# Altium PCB GameBoard_V1I1.PcbDoc (part 6 of 22) (continued)
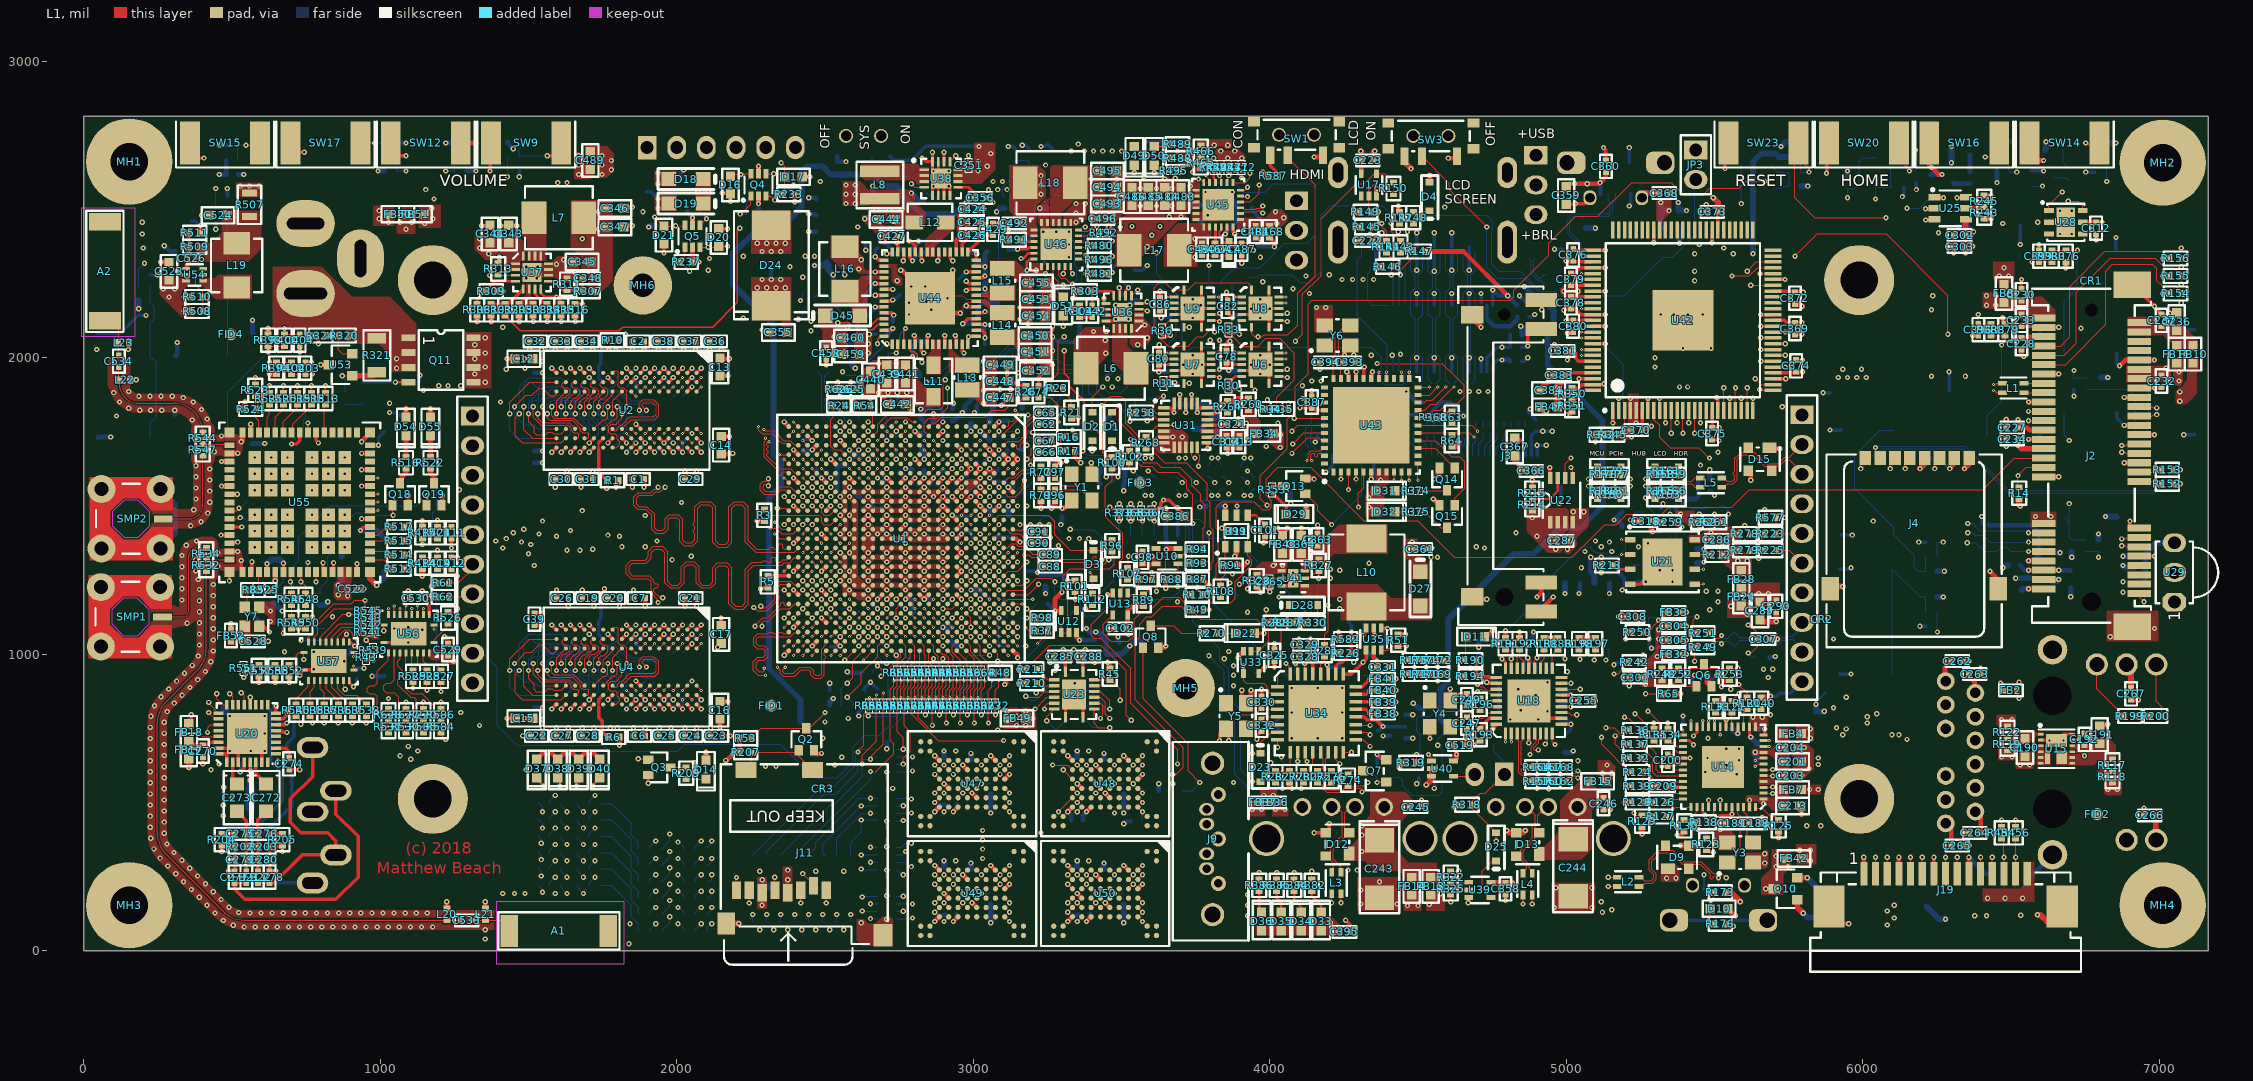
[diagram p0: L1 view]
## Nets (pads, with @x,y where several pads share a name; then routed paths per layer and width w, separated by ;. In a path a pad name is that pad's centre, name@x,y a point inside that pad or via, vN(x,y) a via of type N, cw(c..) or ccw(c..) an arc to the next point about the centre after c; other vN are vias at no path point) (continued)
  L12 w15.75: C40.1@1519.69,818.9 v2(1547.24,818.9) ; C49.1@1519.69,1685.04 v2(1547.24,1685.04) ; C35.1@1519.69,1948.82 v2(1547.24,1948.82) ; C58.1@1629.92,1590.55 v2(1629.92,1618.11) ; v2(1629.92,2027.56) C50.1@1629.92,2055.12 ; C48.1@1633.86,724.41 v2(1633.86,751.97) ; v2(1633.86,1161.42) C41.1@1633.86,1188.98 ; C57.1@1716.54,1590.55 v2(1716.54,1618.11) ; v2(1716.54,2027.56) C51.1@1716.54,2055.12 ; C47.1@1720.47,724.41 v2(1720.47,751.97) ; v2(1720.47,1161.42) C42.1@1720.47,1188.98 ; v2@1763.78,1562.99 C55.1@1763.78,1590.55 ; v2(1937.01,2027.56) C52.1@1937.01,2055.12 ; C46.1@1940.95,724.41 v2(1940.95,751.97) ; v2(2023.62,2027.56) C53.1@2023.62,2055.12 ; C45.1@2027.56,724.41 v2(2027.56,751.97) ; v2(2027.56,1161.42) C43.1@2027.56,1188.98 ; C56.1@2027.56,1590.55 v2(2027.56,1618.11) ; v2(2110.24,2027.56) C54.1@2110.24,2055.12 ; C44.1@2114.17,724.41 v2(2114.17,751.97)
  L12 w19.68: v1(3838.58,1425.2) R90.2@3866.14,1425.2 ; v1(6702,1194) FB9.2@6702,1221.23
  other v1: 2532.48,625.98 2673.23,2500 2716.54,2500 2759.84,2500
  other v2: 2556.1,652.56 2645.67,1216.53 2708.66,1216.54 2582.68,1248.03 2582.68,1279.53 2582.68,1342.52 2582.68,1405.51 2582.68,1468.5 2582.68,1531.5 1763.78,1559.06 2188.98,1677.17
+1V5_MPCIE: C226.1 C227.1 C228.1 C229.1 FB9.1 J2.6 J2.28 J2.48 | length 421.3
  L1 w15.75: v1(6515.75,2062.99) 6519.76,2067 6535.36,2067 C228.1@6535.43,2066.93 6559.06,2066.93 6563.13,2071 J2.48@6610,2071 ; v1(6523.62,1791.34) C227.1@6523.62,1763.78 6555.12,1763.78 6562.99,1755.91 J2.28@6610.24,1755.91 ; v1(6559.06,1283.46) J2.6@6610.24,1283.46 v1(6661.42,1283.46) ; J2.48@6605.93,2066.93 6606.3,2066.93 J2.48@6610.24,2070.87
  L12 w15.75: C226.1@6531.5,1299.21 6547.24,1283.46 v1(6559.06,1283.46) ; C229.1@6637.8,1283.46 v1(6661.42,1283.46) 6698.82,1283.46 FB9.1@6700.79,1281.5
+1V8_AUDIO: C421.1 FB16.2 FB18.2 TP28.1 U44.26 | length 136.7
  L1 w11.81: FB18.2@355.32,765.75 FB18.2@354.33,765.75 350.39,769.69 362.2,781.5 v1(362.2,795.28) ; v2(2976.38,2289.37) U44.26@3009.84,2289.37
  L12 w11.81: TP28.1@354.33,767.72 354.33,787.4 v1(362.2,795.28) ; C421.1@2952.76,2263.78 2952.76,2265.75 v2(2976.38,2289.37)
  other v1: 500,515.75 472.44,551.18
+1V8_WIFI: C527.2 C530.1 C532.1 FB52.2 R43.2 R507.2 R524.2 R539.2 R541.2 R542.2 R543.2 R545.2 R555.2 R556.2 R558.2 U55.38 U56.2 U57.2 | length 392.2
  L1 w9.84: U57.2@895.67,1041.34 899.61,1041.34 v1(913.39,1027.56)
  L1 w11.02: v1@981.5,1062.99 v1(984.25,1062.99) ; C530.1@1138.78,1188.98 1165.35,1162.4 U56.2@1165.35,1133.86
  L1 w11.81: R43.2@952.76,979.13 975.2,979.13 v1(976.38,980.31) R539.2@976.38,1002.76
  L1 w19.68: FB52.2@496.06,1082.68 v1(496.06,1102.36) ; R524.2@543.31,1826.77 v1(543.31,1850.39) ; v1(645.67,905.51) R558.2@645.67,925.2 ; v1(645.67,1248.03) U55.38@645.67,1276.57 ; C530.1@1138.78,1188.98 1138.78,1209.65 v1(1141.73,1212.6)
  L12 w11.02: C532.1@897.64,1000 897.64,1011.81 v1(913.39,1027.56)
  L12 w19.68: R555.2@641.73,1173.23 v1(669.29,1145.67) ; v1(645.67,1248.03) C527.2@645.67,1279.53 ; R556.2@795.28,1165.35 811.02,1165.35 v1(822.83,1177.17)
  other v1: 988.19,1114.17 988.19,1145.67 527.56,2578.74 559.06,2578.74 590.55,2578.74
+1V8_WIFI_OSO: C528.2 FB52.1 R675.2 Y7.4 | length 51.5
  L12 w19.68: v1(531.5,1062.99) 551.18,1082.68 R675.2@551.18,1106.3
+1V375_CORE: C103.1 C104.1 C105.1 C106.1 C107.1 C108.1 C109.1 C115.1 C116.1 C117.1 C118.1 C119.1 C439.1 C440.1 C441.1 C442.1 FB2.1 L11.2 R299.2 TP32.1 U1.H14 U1.J14 U1.K9 U1.K14 U1.L9 U1.L14 U1.M9 U1.M14 U1.N9 U1.N14 U1.P9 U1.P14 U1.R9 U1.R14 U1.T9 U1.U9 U44.6 | length 207.3
  L1 w11.81: v2(2681.1,1881.89) 2714.57,1848.42 C442.1@2714.57,1842.52 ; U44.6@2824.8,2045.28 2824.8,2023.62 v2(2832.68,2015.75)
  L1 w15.75: v1(6464.57,901.57) 6480.31,885.83 FB2.1@6480.31,877.95
  L12 w3.15: v1(3488.19,1929.13) R299.2@3511.81,1952.76
  L12 w11.81: C103.1@2688.98,1329.33 2695.47,1329.33 v2(2708.66,1342.52) ; v2(2744.09,1881.89) 2746.68,1879.31 TP32.1@2746.68,1850.39
  other v1: 3468.5,1901.57
  other v2: 2771.65,1342.52 2834.65,1342.52 2897.64,1342.52 2645.67,1531.5 2708.66,1531.5 2771.65,1531.5 2834.65,1531.5 2712.6,1881.89 2775.59,1881.89
+1V375_SOC: C132.1 C133.1 C134.1 C135.1 C136.1 C137.1 C138.1 C139.1 C140.1 C141.1 C142.1 C339.1 C340.1 C341.2 C447.1 C448.1 C449.1 L6.2 L13.1 R296.2 R431.1 TP34.1 U1.H16 U1.J16 U1.K16 U1.L16 U1.M16 U1.N16 U1.P16 U1.R16 U1.T16 U1.U16 | length 163.7
  L12 w15.75: C141.1@2927.17,1090.55 C141.1@2929.13,1092.52 ; v2(2992.13,1216.54) 3021.65,1216.54 C142.1@3053.15,1185.04 ; R431.1@3015.75,1988.19 v2(3035.43,1988.19) ; v2(3035.43,1936.02) 3052.17,1936.02 TP34.1@3066.93,1921.26
  L12 w19.68: v2(2897.64,1090.55) C141.1@2927.17,1090.55
  other v2: 2645.67,1279.53 2708.66,1279.53 2771.65,1279.53 2834.65,1279.53 2897.64,1279.53 3035.43,1846.46 3035.43,1889.76 3446.85,2014.76 3444.88,2059.06 3405.51,2088.58 3448.82,2088.58
+2V5: C63.1 C75.1 C92.1 C169.1 C422.1 FB6.1 R13.1 R27.1 R32.1 R40.1 R114.2 R115.2 R116.2 TP29.1 U44.28 | length 496.1
  L1 w11.81: U44.28@3009.84,2328.74 3009.84,2348.42 v2(3011.81,2350.39)
  L12 w15.75: v1(2582.68,1688.98) 2582.68,1686.71 2601.08,1668.31 2611.22,1668.31 R32.1@2618.11,1661.42 ; C422.1@2992.13,2354.33 3007.87,2354.33 v2(3011.81,2350.39) ; R13.1@3157.48,1688.98 3165.35,1688.98 v1(3181.1,1704.72) ; C63.1@3177.17,1748.03 v1(3200.79,1748.03) ; FB6.1@5425.2,899.61 5425.2,921.26 v1(5433.07,929.13)
  L12 w19.68: v2(3055.12,1500) 3059.06,1496.06 R40.1@3059.06,1472.44 ; v1(3244.09,1204.72) C92.1@3244.09,1228.35 ; v1(3381.89,1086.61) 3393.7,1074.8 v1(3413.39,1074.8) 3421.26,1074.8 C169.1@3448.82,1047.24 R115.2@3448.82,1002.95 3451.77,1000 R116.2@3492.13,1000 3500,1000 v1(3527.56,1027.56) 3543.31,1043.31 TP29.1@3566.93,1043.31
  other v1: 2897.64,1720.47
+2V5_ETH_DVDDH: C208.1 C209.1 C210.1 C211.1 C212.1 FB6.2 R128.2 R129.2 R130.2 R131.2 R132.2 R133.2 R134.2 R135.2 R136.2 R137.2 U14.16 U14.34 U14.40 | length 330.4
  L1 w9.84: U14.40@5480.32,484.25 v1(5480.31,507.87) ; v1(5578.74,732.28) U14.16@5578.74,755.12
  L1 w11.81: C209.1@5346.46,555.12 5350.79,550.79 v1(5366.14,550.79) U14.34@5394.09,550.79
  L1 w15.75: v1(5192.91,649.61) R132.2@5212.6,649.61 ; v1(5192.91,696.85) R137.2@5212.6,696.85 ; v1(5192.91,744.09) R136.2@5212.6,744.09 ; R135.2@5295.28,748.03 v1(5295.28,767.72) ; R134.2@5342.52,748.03 v1(5342.52,767.72) ; v1(5374.02,389.76) 5385.83,389.76 R130.2@5397.64,401.57 ; R133.2@5503.94,842.52 5515.75,842.52 v1(5531.5,858.27)
  L1 w19.68: v1(5196.85,500) R128.2@5220.47,500 ; v1(5255.91,393.7) R129.2@5255.91,417.32
  L12 w19.68: C210.1@5559.06,748.03 5574.8,732.28 v1(5578.74,732.28)
  other v1: 5555.12,881.89 5523.62,889.76
+2V5_VDDHIGH_VPH: C152.1 C153.1 C154.1 U1.H10 U1.J10 | length 122
  L1 w15.75: U1.J10@2881.89,1484.25 v2(2897.64,1500) U1.H10@2913.39,1484.25
  L12 w11.81: C153.1@2876.58,1511.81 2885.83,1511.81 v2(2897.64,1500) 2909.45,1488.19 C152.1@2918.7,1488.19
  L12 w19.68: v2(2992.13,1751.97) C154.1@2992.13,1777.56
+3V0_ALWAYS: C99.1 C102.1 C149.1 C150.1 C155.1 C427.1 R66.2 R68.2 R69.2 R80.2 R81.2 R82.2 R89.2 R91.2 R97.2 R313.1 R436.2 R437.2 TP31.1 U1.G11 U1.H9 U1.J9 U11.6 U13.5 U44.41 | length 840.4
  L1 w11.81: C427.1@2744.09,2409.45 2744.09,2394.52 cw(c2737.37,2394.52) v2(2742.13,2389.76) 2746.06,2385.83 U44.41@2746.06,2356.3
  L1 w15.75: R313.1@1397.64,2318.9 1401.57,2322.83 v1(1401.57,2338.58) ; U1.J9@2881.89,1515.75 v2(2897.64,1531.5) U1.H9@2913.39,1515.75 ; v2(2929.13,1468.5) U1.G11@2944.88,1452.76 ; v1(3523.62,1066.93) 3515.75,1074.8 C102.1@3515.75,1086.61 3515.75,1106.3 3521.65,1112.2 U13.5@3521.65,1131.89 3521.65,1147.64 3535.43,1161.42 R89.2@3574.8,1161.42 ; R97.2@3602.36,1251.97 v1(3602.36,1275.59) ; U11.6@3850.39,1468.5 v1(3850.39,1500) ; R91.2@3889.76,1299.21 3913.39,1299.21 v1(3925.2,1311.02)
  L12 w11.81: R436.2@2763.78,2000 R436.2@2767.72,2000 2791.34,2000 v1(2795.28,2003.94) 2795.28,2039.37 R437.2@2791.34,2043.31 ; v2(2897.64,1531.5) 2917.32,1551.18 C149.1@2917.32,1552.56 ; v2(2929.13,1468.5) v2@2933.07,1464.57 ; C155.1@2939.57,1448.82 2939.57,1458.07 v2@2933.07,1464.57 ; R80.2@2981.69,1464.57 v2@2933.07,1464.57
  L12 w15.75: C150.1@3246.06,1347.44 3252.95,1354.33 3275.59,1354.33 v1(3287.4,1366.14) ; v2(3295.28,1437.01) 3299.21,1440.94 R66.2@3299.21,1464.57 ; R69.2@3401.57,1759.84 v1(3401.57,1779.53) ; R68.2@3468.5,1759.84 v1(3468.5,1779.53) ; v1(3500,1653.54) 3500,1629.92 R82.2@3507.87,1622.05 3511.81,1622.05 3511.81,1578.74 R81.2@3507.87,1574.8 v1(3507.87,1551.18) ; C99.1@3826.77,1500 v1(3850.39,1500) ; TP31.1@3905.51,1291.34 v1(3925.2,1311.02)
+3V0_VSNVS: C430.1 R426.2 R433.2 R434.2 U44.43 | length 544.1
  L1 w11.81: v2(2669.29,2340.55) 2681.1,2328.74 U44.43@2698.82,2328.74
  L12 w11.81: v2(2669.29,2340.55) 2669.29,2362.2 C430.1@2677.17,2370.08
  L12 w19.68: v1(2842.52,1917.32) R434.2@2870.08,1917.32 ; v1(5629.92,2350.39) R433.2@5629.92,2598.43 5629.92,2661.42 5657.48,2688.98 5704.72,2688.98 5716.54,2677.17 R426.2@5751.97,2677.17
+3V3: C77.1 C78.1 C79.1 C80.1 C81.1 C82.1 C85.1 C86.1 C98.1 C100.1 C157.1 C159.1 C160.1 C161.1 C162.1 C170.1 C177.1 C178.1 C179.1 C187.1 C223.1 C266.1 C267.1 C268.1 C284.1 C285.1 C286.1 C287.2 C288.1 C302.1 C303.2 C308.1 C312.1 C317.1 C331.1 C366.1 C367.1 C385.1 C386.1 C387.1 C388.1 C389.1 C390.1 C391.1 C392.1 C395.1 C416.1 C417.1 C453.1 C454.1 C455.1 C474.1 CTP1.1 D4.2 D5.2 D6.2 D7.2 D14.2 D18.2 D29.2 D31.2 D32.2 D33.2 D34.2 D35.2 D36.2 D37.2 D38.2 D39.2 D40.2 D41.2 D42.2 FB7.1 FB8.1 FB12.1 FB19.1 FB20.2 FB28.2 FB32.1 FB34.1 FB35.1 FB37.1 FB44.1 FB45.1 FB46.1 FB47.1 FB48.1 FB49.1 FB50.1 J8.14 J8.16 J11.4 L15.2 LCD1.4 Q4.2 Q4.5 Q5.2 Q5.5 R14.2 R20.2 R21.2 R34.1 R45.2 R46.2 R47.2 R48.2 R49.2 R50.2 R51.2 R52.2 R53.2 R54.2 R59.2 R60.2 R61.2 R62.2 R63.2 R64.2 R65.2 R70.2 R71.2 R72.2 R87.2 R88.2 R92.2 R104.2 R105.2 R106.2 R113.2 R122.1 R141.2 R149.2 R151.2 R173.2 R207.2 R210.2 R211.2 R212.1 R213.2 R214.2 R231.2 R232.2 R236.2 R237.2 R243.1 R247.2 R277.2 R278.2 R279.2 R342.1 R350.1 R365.2 R366.2 R367.2 R368.2 R376.2 R377.2 R378.2 R379.2 R392.2 R393.2 R394.2 R395.2 R396.2 R399.2 R404.2 R405.2 R406.2 R407.2 R414.2 R415.2 R416.2 R418.2 R422.2 R423.2 R425.2 R435.2 R578.2 R579.2 R587.2 R588.2 R590.2 R622.2 R625.2 R629.2 R630.2 R631.2 R632.2 R633.2 R634.2 R635.2 R636.2 R637.2 R638.2 R639.2 R640.2 R641.2 SW3.3 TP36.1 U1.G14 U1.G15 U1.G16 U1.G17 U1.J7 U1.K19 U1.L19 U1.M19 U1.P7 U1.P19 U6.4 U7.4 U8.4 U9.4 U10.5 U12.5 U17.5 U21.8 U22.1 U22.2 U22.3 U22.8 U23.1 U23.16 U25.4 U27.5 U28.5 U32.5 U35.5 U42.7 U42.99 U43.7 U43.8 U43.28 U43.29 U43.37 U44.17 U44.25 U44.27 U44.55 | length 5681.8
  L1 w9.84: C86.1@3629.92,2161.42 3633.86,2165.35 U9.4@3677.17,2165.35 ; C80.1@3633.86,1976.38 U7.4@3677.17,1976.38 ; C78.1@3854.33,1984.25 3865.75,1984.25 3873.62,1976.38 U6.4@3905.51,1976.38 ; 3870.08,2165.35 U8.4@3905.51,2165.35
  L1 w11.81: U44.55@2698.82,2092.52 2722.44,2092.52 v2(2728.35,2098.43) ; U44.17@3009.84,2112.2 v2(3039.37,2112.2) ; U44.25@3009.84,2269.68 3029.53,2269.68 ; U44.27@3009.84,2309.06 v2@3035.43,2309.06 ; v2(3039.37,2275.59) 3033.46,2269.68 3029.53,2269.68 ; v2@3039.37,2279.53 3029.53,2269.68 ; v2@3039.37,2305.12 v2@3035.43,2309.06 ; v2@3039.37,2309.06 v2@3035.43,2309.06 ; U23.1@3311.02,940.95 C285.1@3311.02,992.13 ; U23.16@3370.08,940.95 C288.1@3370.08,992.13 ; R365.2@3531.5,1486.81 R366.2@3566.93,1486.81 R367.2@3602.36,1486.81 3618.36,1486.81 3631.89,1500.34 3631.89,1509.84 v1(3641.73,1519.68) 3661.42,1519.68 v1@3687.01,1494.09 ; v1(3687.99,1494.09) 3710.63,1471.46 C386.1@3710.63,1465.55 ; 3870.08,2165.35 C82.1@3858.27,2153.54 3858.27,2149.61 v2(3874.02,2133.86) ; v1@3975,2627.36 v1(3976.38,2625.98) 3988.19,2614.17 R587.2@4001.38,2614.17 ; v2(4102.36,1830.71) C387.1@4141.73,1830.71 4149.61,1830.71 4157.48,1822.83 U43.37@4185.04,1822.83 ; U43.29@4316.93,1929.13 4316.93,1966.54 v2(4318.9,1968.5) ; U43.28@4342.52,1929.13 4342.52,1948.82 v2(4346.46,1952.76) ; R368.2@4561.61,1799.21 4586.61,1799.21 v1(4590.55,1803.15) 4606.3,1818.9 R63.2@4614.17,1818.9 R63.2@4618.11,1818.9 ; v1(4944.88,1629.92) 4944.88,1595.47 U22.8@4945.87,1594.49 ; R350.1@5019.69,1897.64 5042.32,1897.64 5054.13,1909.45 U42.99@5089.57,1909.45 5125,1909.45 v2(5127.95,1912.4) ; U42.7@5275.59,1821.85 v2(5275.59,1862.2)
  L1 w15.75: D37.2@1527.56,645.67 1551.18,669.29 v1(1562.99,669.29) 1574.8,669.29 D38.2@1598.43,645.67 1622.05,669.29 v1(1633.86,669.29) 1645.67,669.29 D39.2@1669.29,645.67 1692.91,669.29 v1(1704.72,669.29) 1716.54,669.29 D40.2@1740.16,645.67 ; Q5.2@2053.15,2372.05 2053.15,2322.83 v1(2074.8,2322.83) ; Q5.5@2053.15,2446.85 v1(2053.15,2472.44) ; v1(2165.35,641.73) 2169.29,641.73 v1(2188.98,661.42) 2196.85,669.29 R207.2@2212.6,669.29 R53.2@2212.6,716.54 ; v1(2275.59,2519.68) Q4.2@2275.59,2545.28 ; Q4.5@2275.59,2620.08 v1(2275.59,2645.67) ; v1(2590.55,1862.2) R54.2@2614.17,1838.58 ; R625.2@2606.3,1893.7 2606.3,1897.64 2618.11,1909.45 v1(2618.11,1917.32) ; v1(2708.66,1185.04) U1.P19@2724.41,1200.79 ; v1(2708.66,1594.49) U1.P7@2724.41,1578.74 ; v1(2771.65,1185.04) U1.M19@2787.4,1200.79 ; U1.L19@2818.9,1200.79 v1(2834.65,1185.04) U1.K19@2850.39,1200.79 ; U1.J7@2881.89,1578.74 v2(2897.64,1594.49) ; U1.G17@2944.88,1263.78 v2(2960.63,1279.53) U1.G16@2944.88,1295.28 ; U1.G15@2944.88,1326.77 v2(2960.63,1342.52) U1.G14@2944.88,1358.27 ; v1(3106.3,897.64) 3110.24,901.57 R48.2@3110.24,937.01 ; U12.5@3297.24,1147.64 3295.28,1145.67 v1(3275.59,1145.67) 3275.59,1185.04 v1(3299.21,1208.66) ; v1(3303.15,1015.75) 3311.02,1007.87 C285.1@3311.02,992.13 ; C288.1@3370.08,992.13 3370.08,1007.87 v1(3377.95,1015.75) ; v1(3452.76,972.44) 3460.63,964.57 R45.2@3460.63,952.76 ; v2(3625.98,1952.76) C80.1@3625.98,1976.38 ; v2@3629.92,2137.8 C86.1@3629.92,2161.42 ; v1(3649.61,1222.44) R88.2@3649.61,1251.97 ; R49.2@3775.59,1149.61 v1(3795.28,1149.61) ; R87.2@3775.59,1251.97 v1(3795.28,1232.28) ; C78.1@3854.33,1984.25 3854.33,1964.57 v2(3862.2,1956.69) ; v1(3960.63,1826.77) R34.1@3984.25,1826.77 ; R277.2@4066.93,566.93 4066.93,555.12 v1(4074.8,547.24) ; U17.5@4309.06,2620.08 v1@4309.06,2694.88 ; U35.5@4350.39,1013.78 4350.39,988.19 v1(4362.2,976.38) C331.1@4362.2,956.69 ; R51.2@4433.07,1066.93 v1(4456.69,1066.93) ; v1(5098.43,1716.54) R342.1@5098.43,1740.16 ; FB32.1@5381.89,1000 v1(5405.51,1000) ; U28.5@6742.13,2456.69 C312.1@6787.4,2456.69 v1(6807.09,2456.69)
  L1 w19.68: R393.2@622.05,2078.74 v1(622.05,2098.43) ; v1(625.98,1944.88) R394.2@649.61,1944.88 ; v1(1141.73,1263.78) R414.2@1141.73,1287.4 ; R415.2@1141.73,1429.13 v1(1141.73,1448.82) ; v1(1173.23,1196.85) 1177.17,1192.91 R62.2@1192.91,1192.91 ; v1(1173.23,1228.35) 1185.04,1240.16 R61.2@1192.91,1240.16 ; D14.2@2098.43,641.73 v1(2098.43,669.29) ; v1(3153.54,901.57) R210.2@3177.17,901.57 ; v1(3153.54,948.82) R211.2@3177.17,948.82 ; R21.2@3330.71,1795.28 3350.39,1795.28 v1(3354.33,1799.21) ; D29.2@4118.11,1472.44 4122.05,1476.38 v1(4122.05,1500) ; v1(4283.46,2492.13) R149.2@4303.15,2492.13 ; v1(4307.09,2696.85) v1@4309.06,2694.88 ; SW3.3@4454.72,2679.13 4454.72,2659.45 v1(4476.38,2637.8) ; D4.2@4539.37,2591.31 v1(4539.37,2614.17) ; R64.2@4614.17,1700.79 4629.92,1700.79 4637.8,1708.66 v1(4637.8,1716.54) ; C367.1@4826.77,1669.29 4826.77,1653.54 v1(4842.52,1637.8) C366.1@4862.2,1618.11 ; FB47.1@4911.42,1834.65 4927.17,1818.9 v1(4933.07,1818.9) ; v1(5118.11,1275.59) R213.2@5118.11,1299.21 ; v1(5177.17,1125.98) C308.1@5204.72,1125.98 ; R65.2@5366.14,866.14 v1(5385.83,866.14) ; R173.2@5539.37,196.85 5555.12,196.85 v1(5586.61,165.35) ; v2(6346.46,2354.33) C302.1@6346.46,2413.39 ; U25.4@6350.39,2468.5 U25.4@6348.43,2466.54 6346.46,2464.57 C302.1@6346.46,2413.39 ; v2(6370.08,2375.98) 6348.43,2375.98 C303.2@6346.46,2374.02 C302.1@6346.46,2413.39 ; R243.1@6409.45,2468.5 v2(6433.07,2468.5) ; v2(6472.44,2133.86) 6480.32,2125.98 R379.2@6480.32,2114.17 ; R14.2@6527.56,1523.62 6527.56,1503.94 v1(6531.5,1500) ; v2(6685.04,2303.15) R376.2@6685.04,2323.82 ; J8.16@6890.04,965.29 6905.51,949.82 C267.1@6905.51,885.83 ; C266.1@6988.19,456.69 6988.19,375.14 J8.14@6990.04,373.29
  L12 w11.81: v1(2708.66,1185.04) 2710.04,1185.04 C157.1@2729.72,1165.35 ; v1(3687.99,1494.09) 3687.99,1473.43 C385.1@3688.98,1472.44 CTP1.1@3688.98,1399.61 ; v1(4842.52,1637.8) LCD1.4@4842.52,1671.26
  L12 w13.78: U32.5@5175.2,1301.18 5175.2,1277.56 5196.85,1255.91 C317.1@5196.85,1244.09 5196.85,1224.41 v1(5188.98,1216.54)
  L12 w15.75: v1(444.88,2433.07) R392.2@444.88,2452.76 ; v1(456.69,2716.54) R406.2@480.32,2716.54 ; R407.2@1055.12,2724.41 v1(1086.61,2724.41) ; v1(1220.47,2724.41) R399.2@1251.97,2724.41 ; R396.2@1429.13,2728.35 1429.13,2724.41 v1(1448.82,2704.72) ; R236.2@2035.43,2496.06 2035.43,2490.16 v1(2053.15,2472.44) ; R231.2@2275.59,2488.19 v1(2275.59,2519.68) ; R232.2@2362.2,2562.99 2374.02,2562.99 v1(2393.7,2582.68) ; v1(2574.8,940.94) 2578.74,937.01 R47.2@2622.05,937.01 ; R113.2@2606.3,1889.76 2618.11,1901.57 v1(2618.11,1917.32) ; v2(2614.17,791.34) 2614.17,805.32 R71.2@2633.86,825 2667.52,825 R72.2@2673.23,830.71 ; C179.1@2687.6,1574.8 2707.28,1594.49 v1(2708.66,1594.49) 2688.98,1614.17 R590.2@2687.6,1614.17 ; v1(2771.65,1185.04) C160.1@2792.72,1185.04 2792.72,1150.2 C162.1@2801.18,1141.73 ; v1(2834.65,1185.04) C159.1@2855.71,1185.04 ; C170.1@2877.95,1573.43 2877.95,1574.8 v2(2897.64,1594.49) ; C417.1@3007.87,2314.96 3031.5,2314.96 v2(3039.37,2307.09) ; v2(3039.37,2275.59) v2(3039.37,2307.09) ; TP36.1@3047.24,2358.27 3039.37,2350.39 v2(3039.37,2307.09) ; R92.2@3251.97,1169.29 v1(3275.59,1145.67) 3252.44,1122.52 R52.2@3252.44,1122.05 ; v1(3299.21,1208.66) C100.1@3299.21,1228.35 ; R50.2@3625.98,539.37 v1(3625.98,562.99) ; v2(3625.98,1952.76) C79.1@3653.54,1952.76 ; v2(3633.86,2133.86) 3637.8,2137.8 C85.1@3665.35,2137.8 ; v2(3874.02,2133.86) 3881.89,2141.73 C81.1@3897.64,2141.73 ; v1(5177.17,1125.98) 5179.13,1124.02 U27.5@5202.76,1124.02 ; v1(5555.12,1342.52) 5562.99,1350.39 R60.2@5582.68,1350.39
  L12 w19.68: v1(185.04,2165.35) R395.2@185.04,2192.91 ; R70.2@2515.75,830.71 2515.75,838.58 v1(2527.56,850.39) ; R435.2@2590.55,1988.19 2590.55,1976.38 v1(2602.36,1964.57) ; C474.1@2712.6,2078.74 2712.6,2082.68 v2(2728.35,2098.43) ; v1(2803.15,1960.63) 2814.96,1948.82 R622.2@2814.96,1937.01 ; C416.1@3035.43,2090.55 3035.43,2108.27 v2(3039.37,2112.2) ; v1(3149.61,1948.82) 3165.35,1933.07 R105.2@3165.35,1925.2 ; R104.2@3165.35,1830.71 R106.2@3165.35,1877.95 ; R106.2@3165.35,1874.02 R105.2@3165.35,1921.26 ; v1(3586.61,1787.4) R46.2@3586.61,1814.96 ; v2(3862.2,1956.69) C77.1@3897.64,1956.69 ; v1(4846.46,2106.3) 4850.39,2102.36 R141.2@4850.39,2078.74 ; FB12.1@4996.06,667.32 5017.72,667.32 v1(5023.62,673.23) ; v1(5377.95,2523.62) 5377.95,2498.03 FB44.1@5379.92,2496.06 v1(5405.51,2496.06) ; v1(5562.99,1405.51) R59.2@5582.68,1405.51 ; v1(5724.41,2712.6) 5740.16,2728.35 R425.2@5751.97,2728.35 ; R418.2@5948.82,2606.3 v1(5948.82,2629.92) ; R416.2@6177.17,2677.17 v1(6177.17,2700.79) ; R422.2@6251.97,1192.91 v1(6271.65,1192.91) ; R423.2@6251.97,1279.53 v1(6275.59,1279.53) ; v1(6299.21,2657.48) D42.2@6299.21,2685.04 v1(6299.21,2712.6) ; R405.2@6492.13,2728.35 v1(6511.81,2728.35) ; D41.2@6614.17,2700.79 6618.11,2704.72 v1(6618.11,2728.35) ; v1(6704.72,1326.77) R377.2@6704.72,1346.46 ; R378.2@6803.15,1933.07 v2(6826.77,1933.07) ; R404.2@6822.83,2724.41 v1(6854.33,2724.41)
  other v1: 4066.93,90.55 4003.94,94.49 4137.8,94.49 4204.72,94.49 6377.95,118.11 6417.32,118.11 470.47,454.72 3940.94,476.38 3972.44,476.38 470.47,490.16 5820.87,543.31 5850.39,543.31 429.13,610.24 456.69,629.92 3145.67,759.84 6468.5,779.53 6503.94,779.53 3145.67,791.34 3114.17,807.09 6877.95,1208.66 5472.44,1212.6 5511.81,1212.6 6877.95,1244.09 5578.74,1314.96 5610.24,1314.96 3602.36,1330.71 4964.57,1354.33 4901.57,1397.64 5488.19,1409.45 4885.83,1460.63 4334.65,1496.06 4334.65,1527.56 4035.43,1696.85 4035.43,1740.16 5381.89,1901.57 5409.45,1901.57 3185.04,2114.17 3157.48,2129.92 3157.48,2169.29 7074.8,2185.04 7074.8,2248.03 5433.07,2259.84 6460.63,2275.59 6492.13,2275.59 5433.07,2291.34 6476.38,2303.15 7074.8,2307.09 7074.8,2370.08 1027.56,2456.69 996.06,2468.5 996.06,2496.06 1937.01,2586.61 1937.01,2622.05
  other v2: 2279.53,70.87 2326.77,70.87 2374.02,70.87 2421.26,70.87 2468.5,70.87 2515.75,70.87 2562.99,70.87 2374.61,238.78 2279.53,267.72 2468.5,267.72 2562.99,267.72 2374.02,271.65 3086.61,1279.53 4374.02,1586.61 4342.52,2007.87
+3V3_COMP: C315.1 C316.1 FB35.2 R259.1 U30.14 | length 30.1
  L1 w11.81: R259.1@5366.14,1444.88 5381.89,1429.13 v1(5389.76,1429.13)
+3V3_COMP_IO: C318.1 R259.2 R261.2 R263.1 U30.1 | length 169.9
  L1 w15.75: v1(5500,1472.44) 5519.69,1452.76 R261.2@5519.69,1444.88
  L1 w19.68: v1(5291.34,1413.39) 5287.4,1417.32 C318.1@5287.4,1448.82 5291.34,1444.88 R259.2@5326.77,1444.88
  L12 w11.81: v1(5291.34,1413.39) U30.1@5319.88,1413.39
  L12 w19.68: R263.1@5484.25,1594.49 v1(5484.25,1622.05)
+3V3_ETH_AVDDH: C213.1 C214.1 C215.1 C216.1 C217.1 FB7.2 U14.1 U14.12 U14.47 | length 49.4
  L1 w9.84: U14.12@5664.96,727.95 U14.12@5669.29,732.28
  L1 w11.81: U14.12@5669.29,732.28 v1(5669.29,748.03)
  L12 w19.68: C215.1@5641.73,748.03 v1(5669.29,748.03)
  other v1: 5665.35,496.06 5618.11,507.87
+3V3_FLASH: C499.1 C500.1 C501.1 C502.1 C503.1 C504.1 C505.1 C506.1 C507.1 C508.1 C509.1 C510.1 C511.1 C512.1 C513.1 C514.1 C515.1 C516.1 C517.1 C518.1 FB49.2 R497.2 R500.2 R502.2 R504.2 R574.2 U47.D3 U47.G4 U47.H8 U47.J6 U48.D3 U48.G4 U48.H8 U48.J6 U49.D3 U49.G4 U49.H8 U49.J6 U50.D3 U50.G4 U50.H8 U50.J6 | length 501.9
  L1 w15.75: v2(2901.57,192.91) U49.J6@2917.32,177.17 ; v2(2901.57,562.99) U47.J6@2917.32,547.24 ; v2(2933.07,98.43) U49.H8@2948.82,114.17 ; v2(2933.07,468.5) U47.H8@2948.82,484.25 ; v2(2964.57,255.91) U49.G4@2980.31,240.16 ; v2(2964.57,625.98) U47.G4@2980.31,610.24 ; v2(3059.06,287.4) U49.D3@3074.8,271.65 ; v2(3059.06,657.48) U47.D3@3074.8,641.73 ; v2(3350.39,192.91) U50.J6@3366.14,177.17 ; v2(3350.39,562.99) U48.J6@3366.14,547.24 ; v2(3381.89,98.43) U50.H8@3397.64,114.17 ; v2(3381.89,468.5) U48.H8@3397.64,484.25 ; v2(3413.39,255.91) U50.G4@3429.13,240.16 ; v2(3413.39,625.98) U48.G4@3429.13,610.24 ; v2(3507.87,287.4) U50.D3@3523.62,271.65 ; v2(3507.87,657.48) U48.D3@3523.62,641.73
  L12 w15.75: v2(2933.07,98.43) 2944.88,110.24 C511.1@2944.88,122.05 ; v2(2933.07,468.5) 2944.88,480.32 C500.1@2944.88,492.13 ; C504.1@3370.08,440.94 3370.08,456.69 v2(3381.89,468.5) ; v2(3381.89,98.43) 3393.7,110.24 C516.1@3393.7,122.05 ; v1(3507.63,428.08) 3516.56,437.01 R574.2@3531.5,437.01
  other v1: 3177.17,759.84 3200.79,783.46 3177.17,807.09
  other v2: 2933.07,224.41 3381.89,224.41 3027.56,255.91 3476.38,255.91 2940.94,303.15 3389.76,303.15 2933.07,594.49 3381.89,594.49 3027.56,625.98 3476.38,625.98 2940.94,673.23 3389.76,673.23
+3V3_GYRO: C313.1 C314.1 FB34.2 R260.1 U31.15
+3V3_GYRO_IO: C319.1 R254.1 R260.2 R264.1 R266.1 U31.18 | length 430.8
  L1 w11.81: U31.18@3790.35,1811.02 3814.96,1811.02 v1(3822.83,1818.9)
  L1 w15.75: v1(3822.83,1818.9) 3822.83,1822.83 3854.33,1854.33 R264.1@3858.27,1854.33 3881.89,1854.33 3889.76,1862.2 R260.2@3929.13,1862.2
  L12 w19.68: R254.1@3681.1,1842.52 3799.21,1842.52 v1(3822.83,1818.9) C319.1@3822.83,1795.28 3803.15,1795.28 3767.72,1759.84 R266.1@3744.09,1759.84
+3V3_HDMI: C219.1 R141.1 U16.2 | length 184
  L12 w11.81: U16.2@4732.28,1952.76 4732.28,2000 4767.72,2035.43 v1(4783.46,2035.43) C219.1@4811.02,2035.43 R141.1@4811.02,2078.74
+3V3_HDR: C345.1 C346.1 C347.1 C348.2 D19.2 FB24.2 FB51.1 L7.2 R307.2 TP21.1 | length 51.9
  L1 w11.81: FB24.2@5588.58,1161.42 FB24.2@5590.55,1163.39
  L12 w11.81: TP21.1@1897.64,2559.06 1913.39,2559.06 v1(1937.01,2535.43)
  other v1: 5610.24,1133.86 5555.12,1161.42 1736.22,2433.07 1149.61,2452.76 1177.17,2468.5 1736.22,2492.13 1173.23,2503.94 1937.01,2503.94
+3V3_HDR_J1: C289.1 C290.2 FB24.1 FB28.1 J12.4
  other v1: 5649.61,1204.72 5681.1,1204.72
+3V3_IR: C310.1 C311.1 R247.1 U29.3 | length 204.3
  L12 w19.68: R247.1@6952.76,1248.03 6952.76,1338.58 6989.76,1375.59 U29.3@7051.18,1375.59
+3V3_LDO: C423.1 FB36.1 TP30.1 U44.39 | length 157.4
  L1 w11.81: U44.39@2785.43,2356.3 2785.43,2336.61 v2(2795.28,2326.77)
  L12 w11.81: v2(2795.28,2326.77) 2822.83,2354.33 C423.1@2834.65,2354.33 2877.95,2397.64 TP30.1@2889.76,2397.64
  other v1: 4019.69,476.38 4051.18,476.38 3799.21,2059.06 3830.71,2059.06 3814.96,2086.61
+3V3_MCU: C325.1 C326.1 C327.1 C328.1 C329.1 D22.2 FB36.2 FB37.2 Q7.2 R269.2 R272.2 R417.2 U33.5 U34.6 U34.29 | length 437.7
  L1 w11.81: D22.2@3948.82,1070.87 v1(3980.31,1070.87) ; U33.5@3962.6,935.04 v1(3984.25,956.69) ; v1(3995.08,762.8) U34.6@4026.57,762.8 ; C329.1@4137.8,1031.5 C328.1@4137.8,992.13 4137.8,976.38 4145.67,968.5 U34.29@4145.67,933.07 ; v1(4362.2,661.42) 4379.92,643.7 Q7.2@4393.7,643.7
  L1 w15.75: v1(4015.75,956.69) C325.1@4015.75,976.38 ; C329.1@4137.8,1031.5 v1(4137.8,1051.18)
  L12 w11.81: R269.2@3956.69,937.01 3964.57,937.01 v1(3984.25,956.69) ; v1(3995.08,762.8) 4010.83,762.8 ; C326.1@4031.5,744.09 4012.8,762.8 4010.83,762.8 ; C327.1@4031.5,783.46 4010.83,762.8 ; R272.2@4362.2,629.92 v1(4362.2,661.42) ; v1(6181.1,2566.93) R417.2@6181.1,2590.55
  other v1: 3980.31,523.62 4011.81,523.62
+3V3_MPCIE: C224.1 C225.1 C230.1 C231.1 C232.1 C233.1 C234.1 C235.1 FB8.2 J2.2 J2.24 J2.39 J2.41 J2.52 | length 212.9
  L1 w19.68: C234.1@6523.62,1724.41 v1(6523.62,1704.72) 6535.43,1692.91 J2.24@6610.24,1692.91 ; v1(6559.06,1220.47) J2.2@6610.24,1220.47
  L12 w19.68: C231.1@6535.43,1216.54 6539.37,1220.47 v1(6559.06,1220.47) 6578.74,1220.47 C235.1@6582.68,1216.54
  other v1: 7031.5,1929.13 7023.62,1964.57 6417.32,2177.17 6448.82,2177.17 6417.32,2208.66 6448.82,2208.66